# Altium PCB LimeSDR-X3_1v0.PcbDoc (part 20 of 25)
Units mm, origin at the board's own origin, x right, y up, seen from the top; angles counter-clockwise.
Board outline 232.5 x 111.15 mm, 12 copper layers (Top, L2, L3, L4, L5, L6, L7, L8, L9, L10, L11, Bottom), stack 1.596 mm thick; 2057 components, 1391 nets, 8880 pads, 3657 vias.
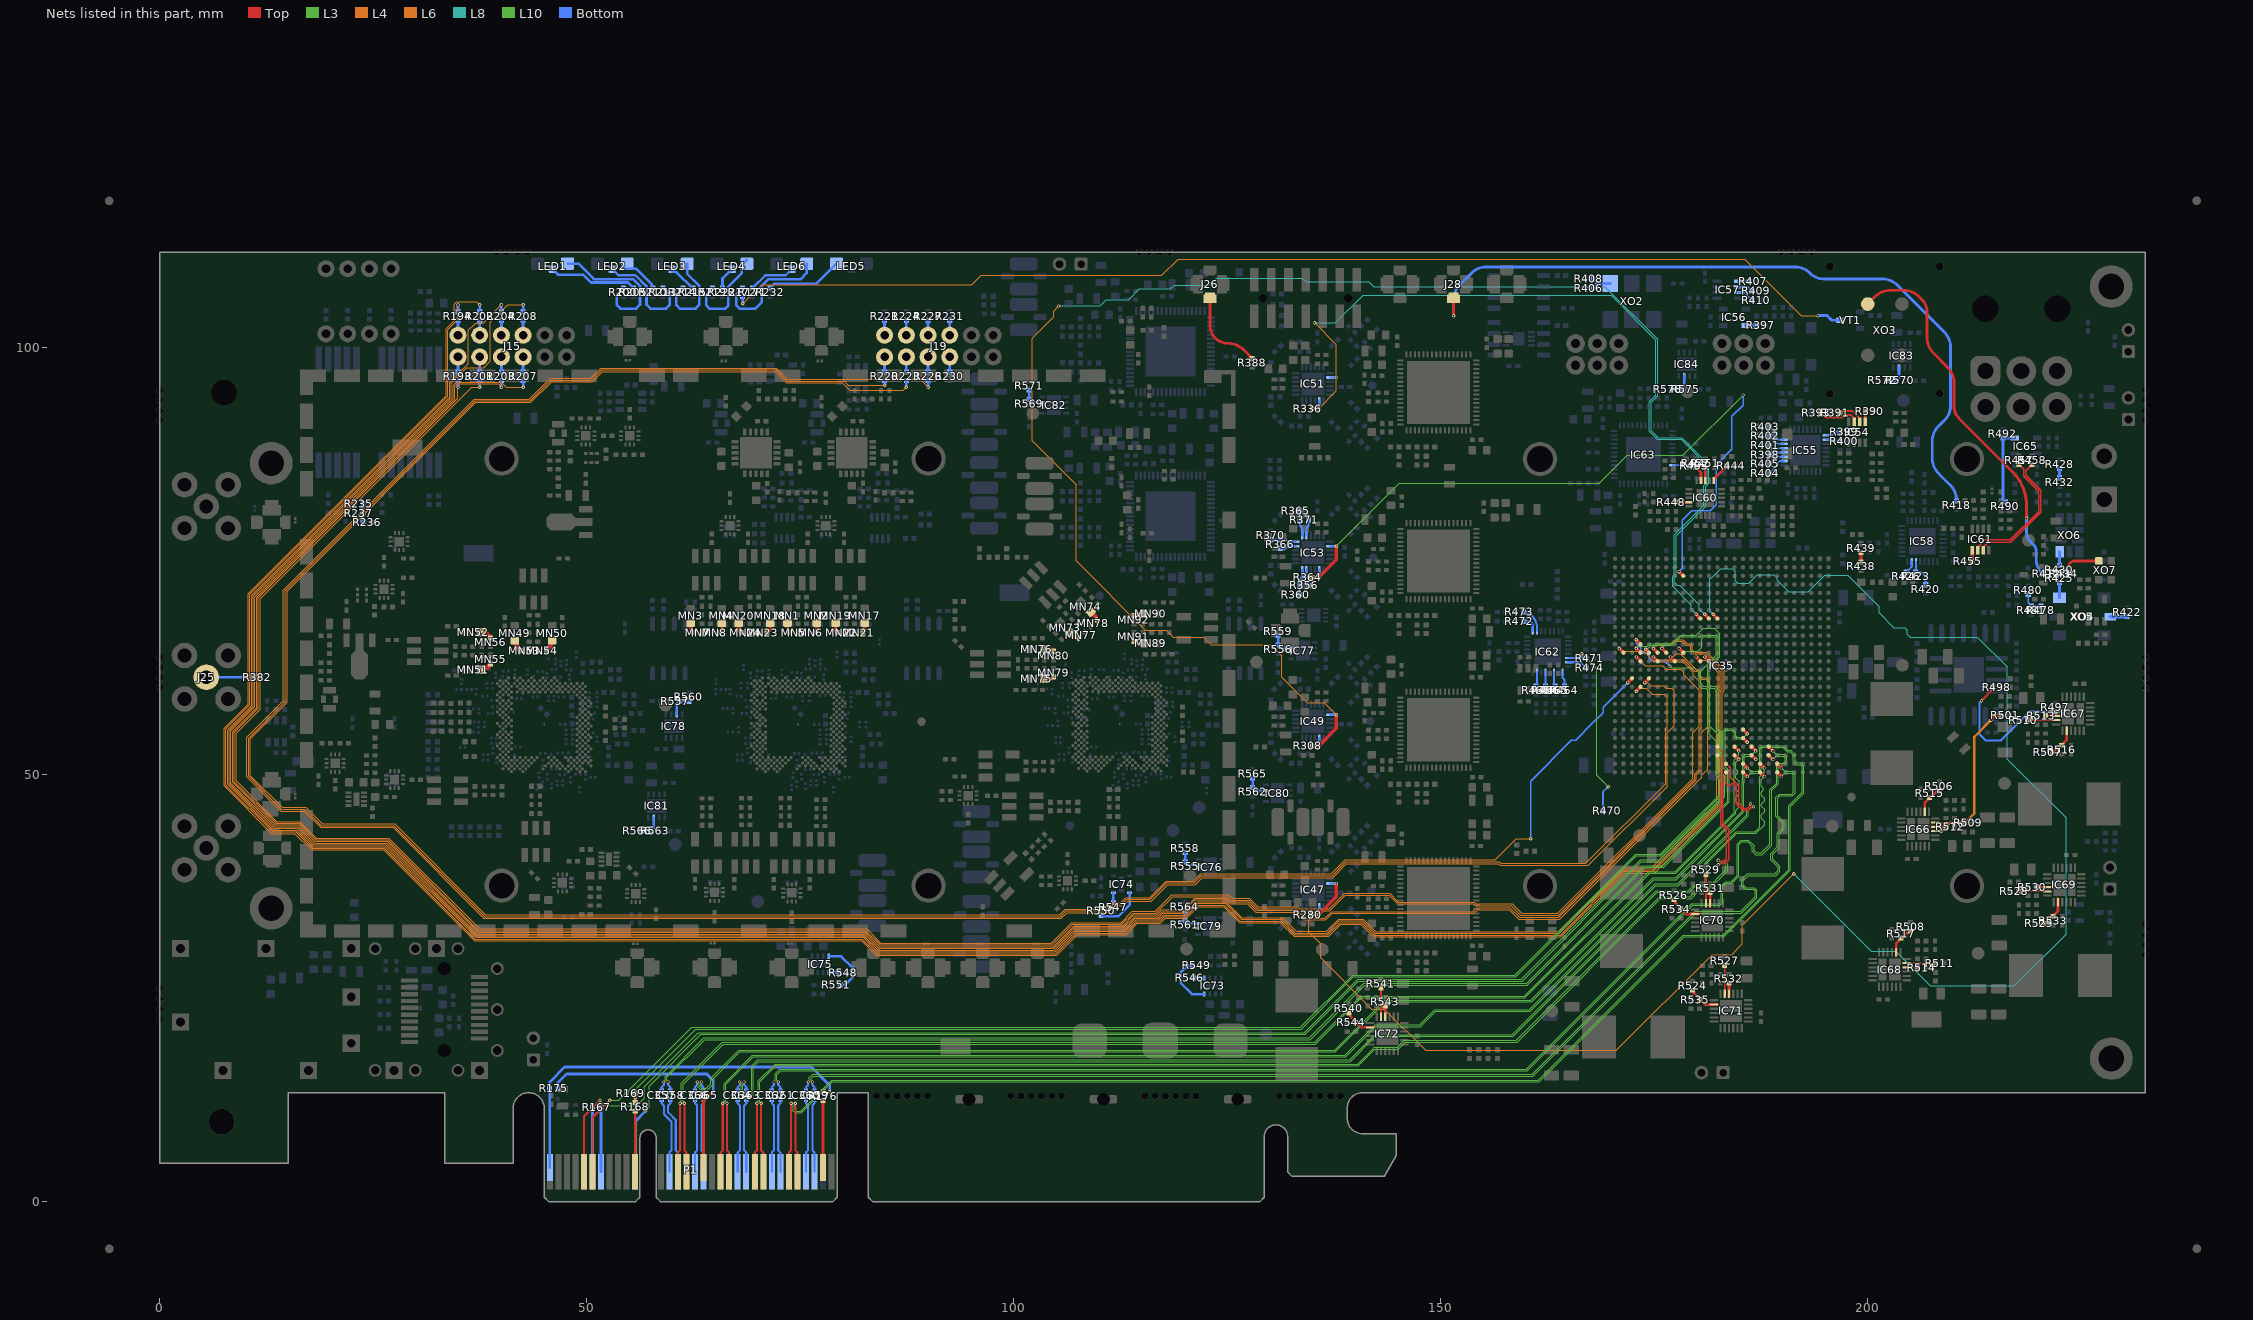
[diagram p30: the nets of this part, all layers, seen from the top]

## Via types
v1: diameter 0.4, hole 0.2, Top to Bottom, tented both sides, 3068 vias
v2: diameter 0.35, hole 0.2, Top to Bottom, tented both sides, 272 vias
v3: diameter 0.5, hole 0.2, Top to Bottom, tented bottom, 196 vias
v4: diameter 0.5, hole 0.2, Top to Bottom, tented both sides, 102 vias
v5: diameter 0.8, hole 0.4, Top to Bottom, tented both sides, 13 vias
v6: diameter 0.4, hole 0.2, Top to Bottom, tented top, 6 vias

## Nets (pads, with @x,y where several pads share a name; then routed paths per layer and width w, separated by ;. In a path a pad name is that pad's centre, name@x,y a point inside that pad or via, vN(x,y) a via of type N, cw(c..) or ccw(c..) an arc to the next point about the centre after c; other vN are vias at no path point) (continued)
NetIC53_5: IC53.5 R366.1 | length 1.9
  Bottom w0.254: R366.1@131.175,76.5 131.698,76.5 ccw(c131.698,76.927) 132,76.625 cw(c132.302,76.323) 132.302,76.75 IC53.5@133,76.75
NetIC53_6: IC53.6 R366.2 R370.1 | length 3
  Bottom w0.254: R370.1@130.075,77.5 R366.2@131.175,77.5 131.709,77.5 cw(c131.709,77.159) 131.95,77.4 ccw(c132.312,77.762) 132.312,77.25 IC53.6@133,77.25
NetIC53_7: IC53.7 R365.1 R371.2 | length 3
  Bottom w0.254: R365.1@133.5,80.925 R371.2@133.5,79.825 133.5,79.302 ccw(c133.927,79.302) 133.625,79 cw(c133.323,78.698) 133.75,78.698 IC53.7@133.75,78
NetIC53_8: IC53.8 R371.1 | length 1.9
  Bottom w0.254: IC53.8@134.25,78 134.25,78.688 cw(c134.762,78.688) 134.4,79.05 ccw(c134.159,79.291) 134.5,79.291 R371.1@134.5,79.825
NetIC53_23: IC53.23 R356.1 | length 1.9
  Bottom w0.254: IC53.23@134.25,74 134.25,73.312 ccw(c134.762,73.312) 134.4,72.95 cw(c134.159,72.709) 134.5,72.709 R356.1@134.5,72.175
NetIC53_24: IC53.24 R356.2 R360.1 | length 3
  Bottom w0.254: R360.1@133.5,71.075 R356.2@133.5,72.175 133.5,72.698 cw(c133.927,72.698) 133.625,73 ccw(c133.323,73.302) 133.75,73.302 IC53.24@133.75,74
NetIC54_5: IC54.5 R390.1 | length 1.2
  Top w0.3: IC54.5@199.7,91.339 R390.1@199.7,92.568
NetIC54_6: IC54.6 R391.1 | length 3.2
  Top w0.2: R391.1@196.7,92.375 196.9,92.575 198.2,92.575 199.05,91.725 IC54.6@199.05,91.339
NetIC54_7: IC54.7 R393.1 | length 4.8
  Top w0.2: R393.1@194.45,92.375 195,91.825 197.05,91.825 197.325,92.1 198.025,92.1 198.378,91.747 198.378,91.361 IC54.7@198.4,91.339
NetIC55_10: IC55.10 R404.2 | length 2.5
  Bottom w0.2: R404.2@188.475,85.275 189.4,86.2 189.4,86.45 189.669,86.719 190.194,86.719 IC55.10@190.2,86.725
NetIC55_11: IC55.11 R405.1 | length 2.1
  Bottom w0.2: R405.1@188.475,86.375 189.325,87.225 IC55.11@190.2,87.225
NetIC55_12: IC55.12 R398.1 | length 1.8
  Bottom w0.2: R398.1@188.475,87.45 188.75,87.725 IC55.12@190.2,87.725
NetIC55_13: IC55.13 R401.1 | length 1.9
  Bottom w0.2: R401.1@188.475,88.55 188.8,88.225 IC55.13@190.2,88.225
NetIC55_14: IC55.14 R402.1 | length 2.1
  Bottom w0.2: R402.1@188.475,89.65 189.4,88.725 IC55.14@190.2,88.725
NetIC55_15: IC55.15 R403.2 | length 2.6
  Bottom w0.2: R403.2@188.475,90.75 189.05,90.175 189.05,89.75 189.575,89.225 IC55.15@190.2,89.225
NetIC55_25: IC55.25 R399.1 | length 1.8
  Bottom w0.2: IC55.25@195.1,89.725 195.8,89.725 196.2,90.125 R399.1@196.75,90.125
NetIC55_26: IC55.26 R400.1 | length 1.7
  Bottom w0.2: IC55.26@195.1,89.225 196,89.225 196.2,89.025 R400.1@196.75,89.025
NetIC56_5: IC56.5 R397.2 | length 1.3
  Bottom w0.4: IC56.5@185.666,102.6 R397.2@186.975,102.6
NetIC57_5: IC57.5 R407.1 | length 1.2
  Bottom w0.3: IC57.5@184.825,107.75 R407.1@186.054,107.75
NetIC57_6: IC57.6 R409.1 | length 1.8
  Bottom w0.2: IC57.6@184.825,107.1 185.975,107.1 R409.1@186.425,106.65
NetIC57_7: IC57.7 R410.1 | length 2
  Bottom w0.2: IC57.7@184.825,106.45 185.525,106.45 R410.1@186.425,105.55
NetIC58_30: IC58.30 R420.2 R423.1 | length 3.6
  Bottom w0.25: IC58.30@205.625,74.95 205.625,73.75 R423.1@205.575,73.7 206.225,73.7 206.775,73.15 R420.2@206.775,72.225
NetIC58_31: IC58.31 R426.2 | length 1.5
  Bottom w0.25: R426.2@204.475,73.7 205.125,74.35 IC58.31@205.125,74.95
NetIC60_11: IC60.11 R444.1 | length 2.3
  Top w0.3: IC60.11@181.95,84.45 181.95,84.604 R444.1@183.486,86.14
NetIC60_13: IC60.13 R451.2 | length 1.5
  Top w0.3: IC60.13@180.95,84.45 R451.2@180.95,85.95
NetIC60_14: IC60.14 R452.2 | length 1.7
  Top w0.3: R452.2@179.85,85.95 180.45,85.35 IC60.14@180.45,84.45
NetIC60_19: IC60.19 R448.1 | length 1.6
  Top w0.3: R448.1@177.486,81.915 177.501,81.9 IC60.19@179.05,81.9
NetIC61_5: IC61.5 R455.1 | length 1.3
  Top w0.4: R455.1@212.199,74.976 IC61.5@212.2,76.29
NetIC61_6: IC61.6 R457.1 | length 15.6
  Top w0.15: IC61.6@212.85,76.29 212.85,76.625 213.7,77.475 216.646,77.475 219.975,80.804 219.975,83.2 218.25,84.925 218.25,85.75 R457.1@217.7,86.3
NetIC61_7: IC61.7 R458.1 | length 15.4
  Top w0.15: IC61.7@213.5,76.29 213.5,76.625 214.1,77.225 216.75,77.225 220.225,80.7 220.225,83.304 218.5,85.029 218.5,85.585 R458.1@219.225,86.31
NetIC62_1: IC62.1 R464.2 | length 1.7
  Bottom w0.25: IC62.1@164.25,62 164.25,61.329 164.45,61.129 R464.2@164.45,60.376
NetIC62_3: IC62.3 R465.2 | length 1.7
  Bottom w0.25: IC62.3@163.25,62 163.25,60.476 R465.2@163.35,60.376
NetIC62_5: IC62.5 R466.2 | length 1.6
  Bottom w0.25: R466.2@162.25,60.376 IC62.5@162.25,62
NetIC62_7: IC62.7 R468.2 | length 1.7
  Bottom w0.25: R468.2@161.15,60.376 161.25,60.476 IC62.7@161.25,62
NetIC62_17: IC62.17 R472.2 | length 2
  Bottom w0.25: R472.2@159.689,67.943 160.224,67.943 cw(c160.224,67.417) 160.75,67.417 IC62.17@160.75,66.8
NetIC62_18: IC62.18 R473.2 | length 3
  Bottom w0.25: R473.2@159.689,69.043 cw(c159.689,67.842) 160.538,68.691 160.689,68.54 cw(c159.335,67.186) 161.25,67.186 IC62.18@161.25,66.8
NetIC62_30: IC62.30 R470.2 R471.1 | length 22.7
  L10 w0.1: v1(166.475,64.15) 168.225,62.4 168.225,49.925 v1(169.575,48.575)
  Bottom w0.2: R470.2@168.975,45.75 168.975,47.975 v1(169.575,48.575)
  Bottom w0.25: IC62.30@164.9,63.65 R471.1@166.775,63.65 ; v1(166.475,64.15) 166.475,63.775 166.775,63.775 R471.1@166.95,63.6
NetIC62_31: IC62.31 R474.2 | length 2.3
  Bottom w0.25: IC62.31@164.9,63.15 166.3,63.15 R474.2@166.95,62.5
NetIC63_9: IC63.9 R463.1 | length 2.1
  Bottom w0.2: IC63.9@177.1,86.225 R463.1@179.15,86.225
NetIC65_5: IC65.5 R490.1 R492.2 | length 9
  Bottom w0.325: R490.1@216.1,81.925 215.8,82.225 R492.2@215.8,89.425 IC65.5@217.2,89.425
NetIC66_2: IC66.2 R506.2 R515.2 | length 4.7
  Top w0.309: IC66.2@206.65,45.225 IC66.2@206.65,45.625 ; R515.2@207.298,47.323 206.65,46.675 206.65,46.45 ; R515.2@207.325,47.3 207.361,47.336 207.398,47.373 208.007,47.982 208.232,47.982 R506.2@208.366,48.116 ; R515.2@207.373,47.398 R515.2@207.445,47.471 ; IC66.2@206.65,45.625 206.65,46.45 ; IC66.2@206.65,45.625 206.65,46.45
NetIC66_22: IC66.22 R512.1 | length 1.6
  Top w0.309: IC66.22@207.55,43.875 IC66.22@207.9,43.875 R512.1@209.15,43.875
NetIC66_23: IC66.23 R509.1 | length 3.4
  Top w0.2: IC66.23@207.9,44.375 R509.1@211.25,44.375
NetIC67_2: IC67.2 R507.2 R516.2 | length 4.7
  Top w0.309: R507.2@221.559,52.634 221.693,52.768 221.918,52.768 222.527,53.377 222.564,53.414 R516.2@222.6,53.45 ; R516.2@222.479,53.279 R516.2@222.552,53.352 ; R516.2@222.627,53.427 223.275,54.075 223.275,54.3 ; IC67.2@223.275,55.525 IC67.2@223.275,55.125 ; 223.275,54.3 IC67.2@223.275,55.125 ; 223.275,54.3 IC67.2@223.275,55.125
NetIC67_22: IC67.22 R513.1 | length 1.6
  Top w0.309: R513.1@220.775,56.875 IC67.22@222.025,56.875 IC67.22@222.375,56.875
NetIC67_23: IC67.23 R510.1 | length 3.4
  Top w0.2: R510.1@218.675,56.375 IC67.23@222.025,56.375
NetIC68_2: IC68.2 R508.2 R517.1 | length 4.7
  Top w0.309: IC68.2@203.3,28.775 IC68.2@203.3,29.175 ; R517.1@203.948,30.873 203.3,30.225 203.3,30 ; R517.1@203.975,30.85 204.011,30.886 204.048,30.923 204.657,31.532 204.882,31.532 R508.2@205.016,31.666 ; R517.1@204.023,30.948 R517.1@204.096,31.021 ; IC68.2@203.3,29.175 203.3,30 ; IC68.2@203.3,29.175 203.3,30
NetIC68_22: IC68.22 R514.1 | length 1.6
  Top w0.309: IC68.22@204.2,27.425 IC68.22@204.55,27.425 R514.1@205.8,27.425
NetIC68_23: IC68.23 R511.1 | length 3.4
  Top w0.2: IC68.23@204.55,27.925 R511.1@207.9,27.925
NetIC69_2: IC69.2 R525.1 R533.1 | length 4.7
  Top w0.309: R525.1@220.534,32.584 220.668,32.718 220.893,32.718 221.502,33.327 221.539,33.364 R533.1@221.575,33.4 ; R533.1@221.455,33.229 R533.1@221.527,33.302 ; R533.1@221.602,33.377 222.25,34.025 222.25,34.25 ; IC69.2@222.25,35.475 IC69.2@222.25,35.075 ; 222.25,34.25 IC69.2@222.25,35.075 ; 222.25,34.25 IC69.2@222.25,35.075
NetIC69_22: IC69.22 R530.1 | length 1.6
  Top w0.309: R530.1@219.75,36.825 IC69.22@221,36.825 IC69.22@221.35,36.825
NetIC69_23: IC69.23 R528.1 | length 3.4
  Top w0.2: R528.1@217.65,36.325 IC69.23@221,36.325
NetIC70_2: IC70.2 R526.1 R534.2 | length 4.7
  Top w0.309: R526.1@177.285,35.395 177.419,35.261 177.419,35.036 178.028,34.427 178.065,34.391 R534.2@178.101,34.355 ; R534.2@177.931,34.475 R534.2@178.003,34.402 ; R534.2@178.078,34.327 178.726,33.68 178.951,33.68 ; IC70.2@180.176,33.679 IC70.2@179.776,33.68 ; 178.951,33.68 IC70.2@179.776,33.68 ; 178.951,33.68 IC70.2@179.776,33.68
NetIC70_22: IC70.22 R531.1 | length 1.6
  Top w0.309: IC70.22@181.526,34.58 IC70.22@181.526,34.93 R531.1@181.526,36.18
NetIC70_23: IC70.23 R529.1 | length 3.4
  Top w0.2: IC70.23@181.026,34.93 R529.1@181.026,38.28
NetIC71_2: IC71.2 R524.2 R535.2 | length 4.7
  Top w0.309: R524.2@179.484,24.791 179.618,24.657 179.618,24.432 180.227,23.823 180.264,23.786 R535.2@180.3,23.75 ; R535.2@180.129,23.871 R535.2@180.202,23.798 ; R535.2@180.277,23.723 180.925,23.075 181.15,23.075 ; IC71.2@182.375,23.075 IC71.2@181.975,23.075 ; 181.15,23.075 IC71.2@181.975,23.075 ; 181.15,23.075 IC71.2@181.975,23.075
NetIC71_22: IC71.22 R532.1 | length 1.6
  Top w0.309: IC71.22@183.725,23.975 IC71.22@183.725,24.325 R532.1@183.725,25.575
NetIC71_23: IC71.23 R527.1 | length 3.4
  Top w0.2: IC71.23@183.225,24.325 R527.1@183.225,27.675
NetIC72_2: IC72.2 R540.1 R544.2 | length 4.7
  Top w0.309: R540.1@139.234,22.116 139.368,21.982 139.368,21.757 139.977,21.148 140.014,21.111 R544.2@140.05,21.075 ; R544.2@139.88,21.195 R544.2@139.952,21.123 ; R544.2@140.027,21.048 140.675,20.4 140.9,20.4 ; IC72.2@142.125,20.4 IC72.2@141.725,20.4 ; 140.9,20.4 IC72.2@141.725,20.4 ; 140.9,20.4 IC72.2@141.725,20.4
NetIC72_22: IC72.22 R543.1 | length 1.6
  Top w0.309: IC72.22@143.475,21.3 IC72.22@143.475,21.65 R543.1@143.475,22.9
NetIC72_23: IC72.23 R541.1 | length 3.4
  Top w0.2: IC72.23@142.975,21.65 R541.1@142.975,25
NetIC73_1: IC73.1 R546.2 | length 1.2
  Bottom w0.3: R546.2@121.1,26.2 IC73.1@122.3,26.2
NetIC73_8: IC73.8 R549.2 | length 6.2
  Bottom w0.3: R549.2@120.9,27.65 120.375,27.65 119.525,26.8 119.525,25.625 120.85,24.3 IC73.8@122.3,24.3
NetIC74_1: IC74.1 R547.2 | length 1.2
  Bottom w0.3: R547.2@111.65,34.987 IC74.1@111.65,36.187
NetIC74_8: IC74.8 R550.2 | length 5.2
  Bottom w0.3: R550.2@110.325,33.412 112.225,33.412 113.55,34.737 IC74.8@113.55,36.187
NetIC75_1: IC75.1 R548.2 | length 1.2
  Bottom w0.3: IC75.1@78.3,26.825 R548.2@79.5,26.825
NetIC75_8: IC75.8 R551.2 | length 6.2
  Bottom w0.3: IC75.8@78.3,28.725 79.75,28.725 81.075,27.4 81.075,26.225 80.225,25.375 R551.2@79.7,25.375
NetIC76_3: IC76.3 R555.2 R558.2 | length 2.8
  Bottom w0.3: R558.2@120.055,40.886 R555.2@120.055,39.786 120.391,39.45 IC76.3@121.6,39.45
NetIC77_3: IC77.3 R556.2 R559.2 | length 2.8
  Bottom w0.3: R559.2@130.925,66.275 R556.2@130.925,65.175 131.261,64.839 IC77.3@132.47,64.839
NetIC78_3: IC78.3 R557.2 R560.2 | length 2.8
  Bottom w0.3: IC78.3@60.505,57.042 60.505,58.251 R557.2@60.841,58.587 R560.2@61.941,58.587
NetIC79_3: IC79.3 R561.1 R564.2 | length 2.8
  Bottom w0.3: R564.2@120.021,34.011 R561.1@120.021,32.911 120.357,32.575 IC79.3@121.566,32.575
NetIC80_3: IC80.3 R562.1 R565.2 | length 2.8
  Bottom w0.3: R565.2@127.955,49.586 R562.1@127.955,48.486 128.291,48.15 IC80.3@129.5,48.15
NetIC81_3: IC81.3 R563.1 R566.2 | length 2.8
  Bottom w0.3: R566.2@56.389,43.405 R563.1@57.489,43.405 57.825,43.741 IC81.3@57.825,44.95
NetIC82_3: IC82.3 R569.1 R571.1 | length 2.8
  Bottom w0.3: R571.1@101.775,95.037 R569.1@101.775,93.937 102.111,93.601 IC82.3@103.32,93.601
NetIC83_3: IC83.3 R570.1 R572.1 | length 2.8
  Bottom w0.3: R572.1@202.2,96.15 R570.1@203.3,96.15 203.636,96.486 IC83.3@203.636,97.695
NetIC84_3: IC84.3 R575.1 R576.1 | length 2.8
  Bottom w0.3: R576.1@177.05,95.15 R575.1@178.15,95.15 178.486,95.486 IC84.3@178.486,96.695
NetJ15_1: J15.1 R193.2 | length 1.8
  Bottom w0.325: R193.2@34.896,97.15 J15.1@34.896,98.904
NetJ15_2: J15.2 R201.2 | length 1.8
  Bottom w0.325: R201.2@37.439,97.15 J15.2@37.439,98.904
NetJ15_3: J15.3 R203.2 | length 1.8
  Bottom w0.325: R203.2@39.982,97.15 J15.3@39.982,98.904
NetJ15_4: J15.4 R207.2 | length 1.8
  Bottom w0.325: R207.2@42.525,97.15 J15.4@42.525,98.904
NetJ15_7: J15.7 R194.1 | length 1.8
  Bottom w0.325: J15.7@34.896,101.446 R194.1@34.896,103.2
NetJ15_8: J15.8 R202.1 | length 1.8
  Bottom w0.325: J15.8@37.439,101.446 R202.1@37.439,103.2
NetJ15_9: J15.9 R204.1 | length 1.8
  Bottom w0.325: J15.9@39.982,101.446 R204.1@39.982,103.2
NetJ15_10: J15.10 R208.1 | length 1.8
  Bottom w0.325: J15.10@42.525,101.446 R208.1@42.525,103.2
NetJ19_1: J19.1 R220.2 | length 1.8
  Bottom w0.325: R220.2@84.856,97.15 J19.1@84.856,98.904
NetJ19_2: J19.2 R223.2 | length 1.8
  Bottom w0.325: R223.2@87.399,97.15 J19.2@87.399,98.904
NetJ19_3: J19.3 R226.2 | length 1.8
  Bottom w0.325: R226.2@89.941,97.15 J19.3@89.941,98.904
NetJ19_4: J19.4 R230.2 | length 1.8
  Bottom w0.325: R230.2@92.484,97.15 J19.4@92.484,98.904
NetJ19_7: J19.7 R221.1 | length 1.8
  Bottom w0.325: J19.7@84.856,101.446 R221.1@84.856,103.2
NetJ19_8: J19.8 R224.1 | length 1.8
  Bottom w0.325: J19.8@87.399,101.446 R224.1@87.399,103.2
NetJ19_9: J19.9 R227.1 | length 1.8
  Bottom w0.325: J19.9@89.941,101.446 R227.1@89.941,103.2
NetJ19_10: J19.10 R231.1 | length 1.8
  Bottom w0.325: J19.10@92.484,101.446 R231.1@92.484,103.2
NetJ25_1: J25.1 R382.1 | length 5.4
  Bottom w0.325: J25.1@5.425,61.4 R382.1@10.875,61.4
NetJ26_1: J26.1 R388.1 | length 9.9
  Top w0.325: J26.1@122.95,105.725 122.95,102.623 ccw(c125.073,102.623) 125.073,100.5 cw(c125.073,97.96) 126.869,99.756 R388.1@127.9,98.725
NetJ28_1: J28.1 R418.1 | length 87.9
  Top w0.325: J28.1@151.458,105.825 cw(c151.418,105.785) 151.475,105.785 v1(151.475,103.725)
  Bottom w0.325: v1(151.475,103.725) 151.475,105.573 cw(c154.015,105.573) 152.219,107.369 153.556,108.706 cw(c155.352,106.91) 155.352,109.45 191.423,109.45 cw(c191.423,106.91) 193.219,108.706 ccw(c194.803,110.29) 193.22,108.705 ccw(c194.803,110.29) 194.803,108.05 201.648,108.05 cw(c201.648,105.51) 203.444,107.306 208.931,101.819 cw(c207.135,100.023) 209.675,100.023 209.675,93.19 cw(c207.285,93.19) 208.975,91.5 208.269,90.794 ccw(c210.065,88.998) 207.525,88.998 207.525,87.077 ccw(c210.065,87.077) 208.269,85.281 209.631,83.919 cw(c207.835,82.123) 210.375,82.123 R418.1@210.375,82.05
NetLED1_1: LED1.1 R200.1 | length 17.1
  Bottom w0.3: LED1.1@47.725,109.825 49,109.825 50.8,108.025 55.375,108.025 56.209,107.191 56.209,105.025 55.759,104.575 53.909,104.575 53.509,104.975 53.509,106.217 R200.1@54.267,106.975
NetLED1_2: LED1.2 R205.1 | length 10.4
  Bottom w0.3: LED1.2@45.975,109.175 46.6,108.55 49.55,108.55 50.475,107.625 54.788,107.625 R205.1@55.438,106.975
NetLED2_1: LED2.1 R210.1 | length 4.3
  Bottom w0.3: LED2.1@54.525,109.225 55.775,109.225 57.596,107.404 57.596,107.125 R210.1@57.746,106.975
NetLED2_2: LED2.2 R213.1 | length 12.3
  Bottom w0.3: LED2.2@52.975,109.175 53.675,108.475 55.675,108.475 56.975,107.175 56.975,105.025 57.425,104.575 59.275,104.575 59.675,104.975 59.675,106.217 R213.1@58.917,106.975
NetLED3_1: LED3.1 R214.1 | length 10.8
  Bottom w0.3: R214.1@61.225,106.975 60.467,106.217 60.467,104.975 60.867,104.575 62.717,104.575 63.167,105.025 63.167,107.208 61.725,108.65 LED3.1@61.725,109.825
NetLED3_2: LED3.2 R215.1 | length 3.3
  Bottom w0.3: LED3.2@59.975,108.875 60.425,108.875 62.396,106.904 R215.1@62.396,106.975
NetLED4_1: LED4.1 R219.1 | length 11.5
  Bottom w0.3: R219.1@64.704,106.975 63.946,106.217 63.946,104.975 64.346,104.575 66.196,104.575 66.55,104.929 66.55,107.15 68.15,108.75 68.15,109.7 LED4.1@68.725,110.275
NetLED4_2: LED4.2 R222.1 | length 2.6
  Bottom w0.3: R222.1@65.874,106.975 65.874,108.099 66.75,108.975 LED4.2@66.975,108.975
NetLED5_3: LED5.3 R232.2 | length 9
  Bottom w0.3: R232.2@71.446,106.975 71.971,107.5 76.9,107.5 LED5.3@79.225,109.825
NetLED6_1: LED6.1 R172.2 | length 14.7
  Bottom w0.3: R172.2@68.233,106.975 67.474,106.217 67.474,104.975 67.874,104.575 69.724,104.575 70.475,105.326 70.475,107.25 71.225,108 75,108 75.725,108.725 LED6.1@75.725,109.825
NetLED6_2: LED6.2 R171.2 | length 5.5
  Bottom w0.3: R171.2@69.403,106.975 70.903,108.475 73.275,108.475 LED6.2@73.975,109.175
NetMN1_1: MN1.1 MN5.2 | length 1.2
  Top w0.4: MN1.1@73.484,67.761 73.484,66.837 MN5.2@73.7,66.621
NetMN2_1: MN2.1 MN6.2 | length 1.2
  Top w0.4: MN6.2@76.7,66.621 76.916,66.837 MN2.1@76.916,67.761
NetMN3_1: MN3.1 MN7.2 | length 1.3
  Top w0.4: MN3.1@62.13,67.737 62.13,66.961 MN7.2@62.47,66.621
NetMN4_1: MN4.1 MN8.2 | length 1.3
  Top w0.4: MN8.2@65.47,66.621 65.81,66.961 MN4.1@65.81,67.737
NetMN17_1: MN17.1 MN21.2 | length 1.2
  Top w0.4: MN21.2@82.326,66.621 82.542,66.837 MN17.1@82.542,67.761
NetMN18_1: MN18.1 MN23.2 | length 1.3
  Top w0.4: MN23.2@71.1,66.621 71.44,66.961 MN18.1@71.44,67.737
NetMN19_1: MN19.1 MN22.2 | length 1.2
  Top w0.4: MN19.1@79.11,67.761 79.11,66.837 MN22.2@79.326,66.621
NetMN20_1: MN20.1 MN24.2 | length 1.3
  Top w0.4: MN20.1@67.76,67.737 67.76,66.961 MN24.2@68.1,66.621
NetMN49_1: MN49.1 MN53.2 | length 1.5
  Top w0.6: MN49.1@41.541,65.692 41.741,65.492 41.741,65.007 MN53.2@42.241,64.507
NetMN50_1: MN50.1 MN54.2 | length 1.5
  Top w0.6: MN54.2@45.241,64.507 45.741,65.007 45.741,65.492 MN50.1@45.941,65.692
NetMN51_1: MN51.1 MN55.2 | length 1.5
  Top w0.6: MN51.1@37.54,62.282 37.74,62.482 38.225,62.482 MN55.2@38.725,62.982
NetMN52_1: MN52.1 MN56.2 | length 1.5
  Top w0.6: MN52.1@37.54,66.682 37.74,66.482 38.225,66.482 MN56.2@38.725,65.982
NetMN73_1: MN73.1 MN77.2 | length 1.2
  Top w0.4: MN73.1@106.586,66.62 107.239,65.967 MN77.2@107.545,65.967
NetMN74_1: MN74.1 MN78.2 | length 1.2
  Top w0.4: MN74.1@109.012,69.047 109.666,68.394 MN78.2@109.666,68.088
NetMN75_1: MN75.1 MN79.2 | length 1.2
  Top w0.4: MN75.1@103.49,61.227 104.414,61.227 MN79.2@104.63,61.443
NetMN76_1: MN76.1 MN80.2 | length 1.2
  Top w0.4: MN76.1@103.49,64.659 104.414,64.659 MN80.2@104.63,64.443
NetMN89_1: MN89.1 MN91.2 | length 1.2
  Top w0.4: MN91.2@114.043,65.62 114.258,65.404 MN89.1@115.183,65.404
NetMN90_1: MN90.1 MN92.2 | length 1.2
  Top w0.4: MN92.2@114.043,68.62 114.258,68.836 MN90.1@115.183,68.836
NetP1_A6: P1.A6 R167.2 | length 7.6
  Bottom w0.325: P1.A6@50.65,3.5 R167.2@50.65,11.075
NetP1_A7: P1.A7 R167.1 | length 7.6
  Bottom w0.325: P1.A7@51.65,3.5 R167.1@51.65,11.075
NetP1_B11: P1.B11 R168.2 | length 7.1
  Top w0.325: P1.B11@55.65,3.5 R168.2@55.65,10.6
NetR172_1: R172.1 VT1.D | length 134.5
  L4 w0.1: v1(68.233,105.125) 70.483,107.375 95.075,107.375 96.15,108.45 117.3,108.45 119.217,110.367 185.558,110.367 192.175,103.75 v1(194.15,103.75)
  Bottom w0.3: v1(68.233,105.125) R172.1@68.233,105.975
  Bottom w0.325: v1(194.15,103.75) 195.225,103.75 195.765,103.21 VT1.D@196.773,103.21
NetR235_1: R235.1 R236.2 R237.1 | length 2.2
  Bottom w0.4: R236.2@23.775,79.525 R237.1@23.775,80.625 R235.1@23.775,81.725
NetR406_2: R406.2 R408.2 XO2.4 | length 3
  Bottom w0.4: R406.2@167.808,106.96 168.358,107.51 ; R408.2@167.808,108.06 168.358,107.51 ; XO2.4@169.824,107.51 168.358,107.51
NetR412_2: R412.2 XO3.3 | length 44.4
  Top w0.325: XO3.3@199.975,105.1 200.843,105.968 cw(c202.639,104.172) 202.639,106.712 204.186,106.712 cw(c204.186,104.172) 205.982,105.968 206.3,105.65 cw(c204.791,104.141) 206.925,104.141 206.925,101.152 ccw(c209.465,101.152) 207.669,99.356 209.331,97.694 cw(c207.535,95.898) 210.075,95.898 210.075,93.103 ccw(c211.953,93.103) 210.625,91.775 216.892,85.508 cw(c212.828,81.444) 218.575,81.444 v1(218.575,80)
  Bottom w0.325: v1(218.575,80) 218.575,78.326 ccw(c220.026,78.326) 219,77.3 219.346,76.954 cw(c218.493,76.1) 219.7,76.1 219.7,75.25 ccw(c222.175,75.25) R412.2@220.425,73.5
NetR422_1: R422.1 XO4.6 | length 2
  Bottom w0.4: XO4.6@228.376,68.5 R422.1@230.35,68.5
NetR425_2: R425.2 XO4.4 XO5.3 | length 1.8
  Bottom w0.325: XO5.3@222.426,70.7 R425.2@222.425,72.5
NetR428_2: R428.2 R432.1 | length 1.1
  Bottom w0.4: R432.1@222.436,84.76 R428.2@222.436,85.86
NetR430_1: R430.1 XO6.6 | length 1.6
  Bottom w0.325: R430.1@222.425,74.5 XO6.6@222.425,76.099
NetR434_2: R434.2 XO7.3 | length 4.8
  Top w0.325: v1(223.425,74.2) cw(c224.252,74.2) 224.252,75.027 XO7.3@227.027,75.027
  Bottom w0.325: R434.2@223.425,73.5 v1(223.425,74.2)
NetR438_1: R438.1 R439.2 | length 1.1
  Top w0.325: R438.1@199.2,74.9 R439.2@199.2,76.025
NetR478_2: R478.2 R480.1 R481.2 | length 2.6
  Bottom w0.2: R480.1@218.775,71.075 218.775,70.125 R481.2@219.15,69.75 R478.2@220.25,69.75
PCIE_HSI0_IC_N: C366.2 IC35.C10 | length 147
  Top w0.4: IC35.C10@186.375,52.275 v1(186.875,51.775)
  L3 w0.1: v1(62.9,14) 62.9,13.941 63.05,13.791 63.05,13.367 63.367,13.05 64.058,13.05 64.7,13.692 64.7,14.342 67.883,17.525 137.633,17.525 143.508,23.4 160.619,23.4 174.919,37.7 177.55,37.7 185.475,45.625 185.475,49.035 185.475,51.95 185.7,52.175 186.475,52.175 v1(186.875,51.775)